# Altium PCB Guitar.pcbdoc
Units mm, origin at the board's own origin, x right, y up, seen from the top; angles counter-clockwise.
Board outline 288.09 x 311.81 mm, 2 copper layers (Top Layer, Bottom Layer); 3 components, 4 nets, 4 pads, 0 vias.
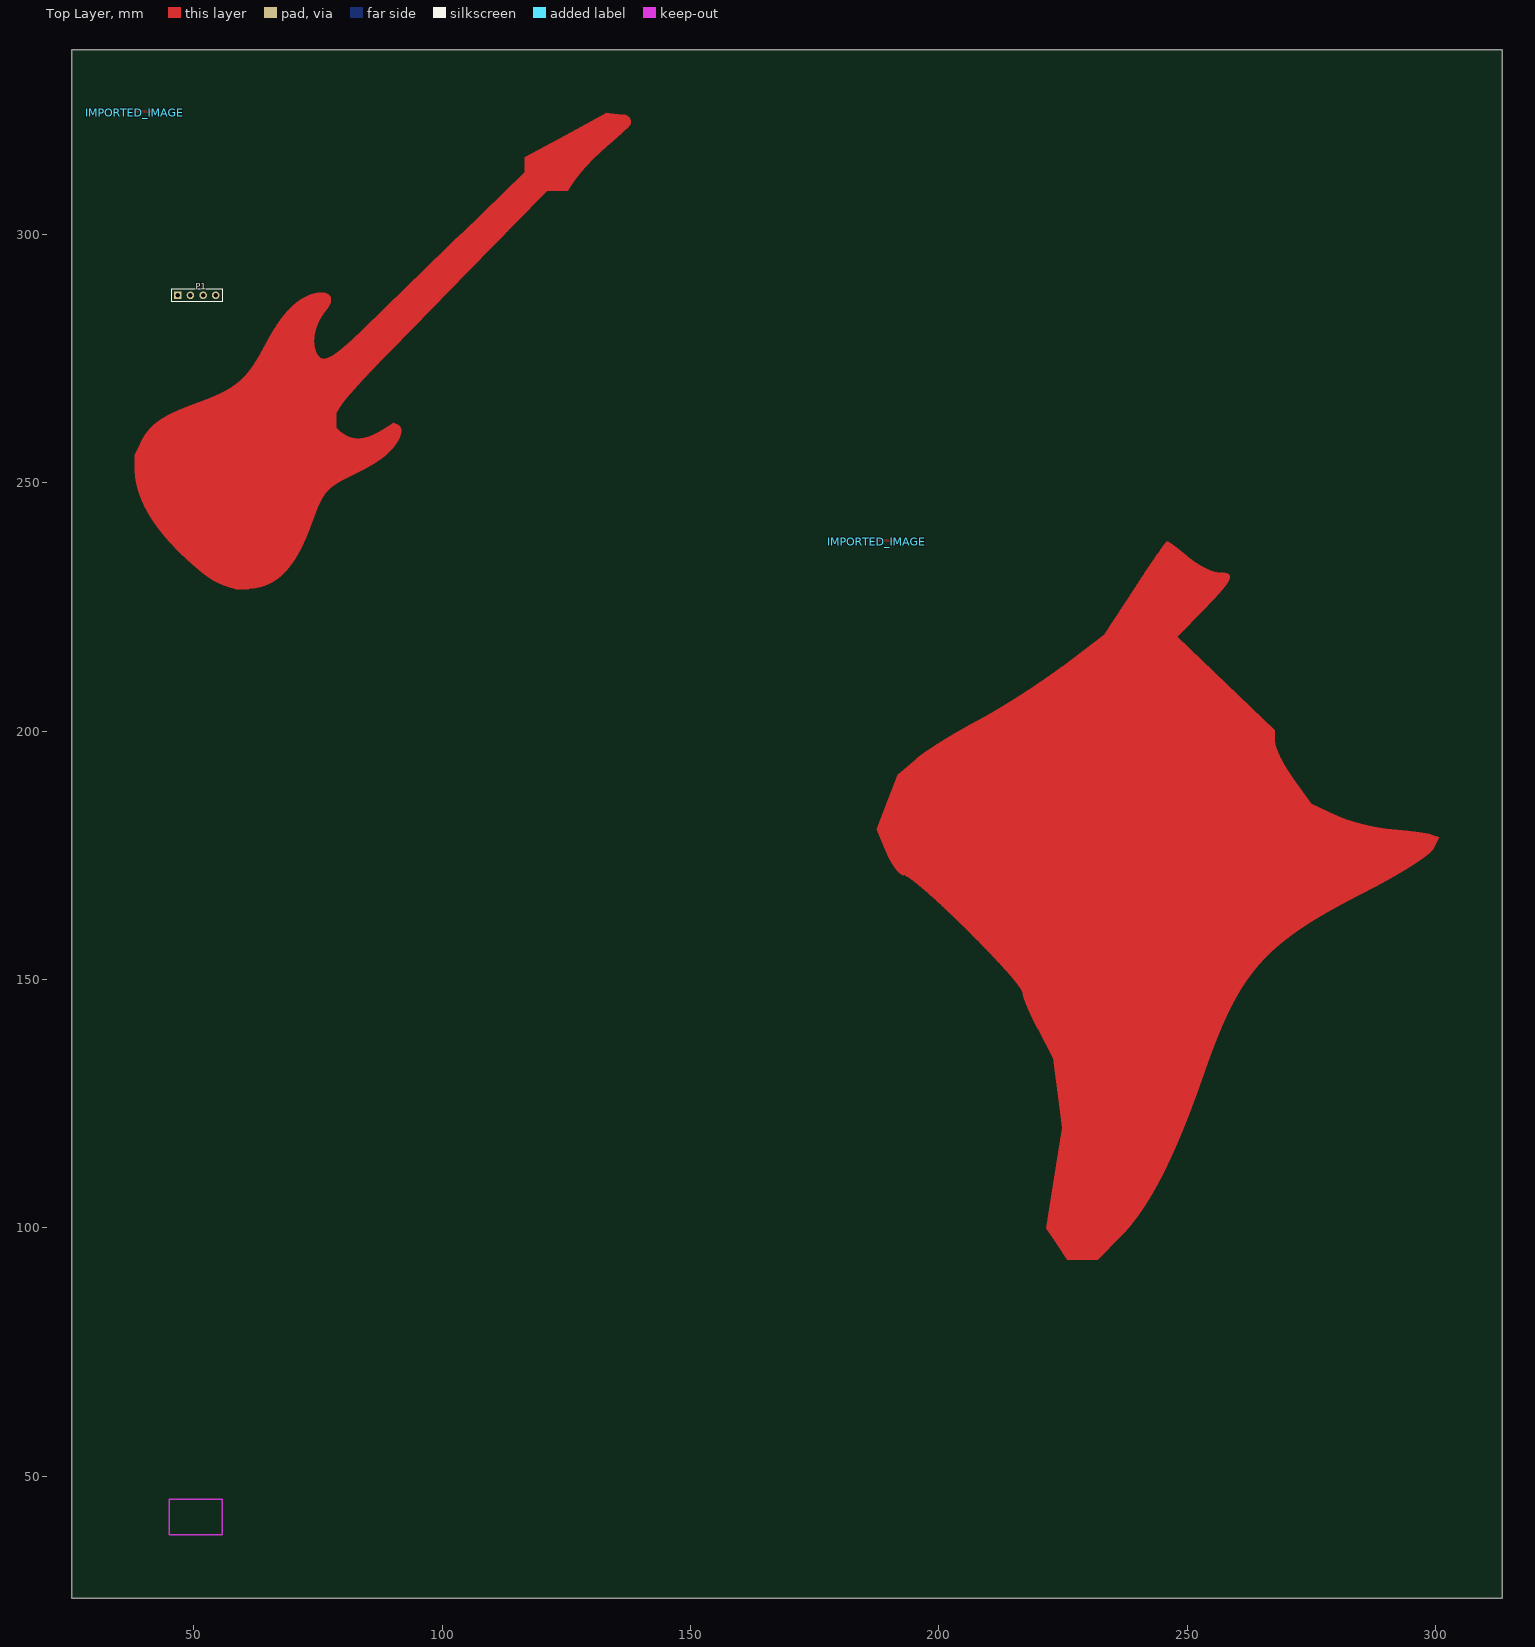
[diagram p0: Top Layer view]
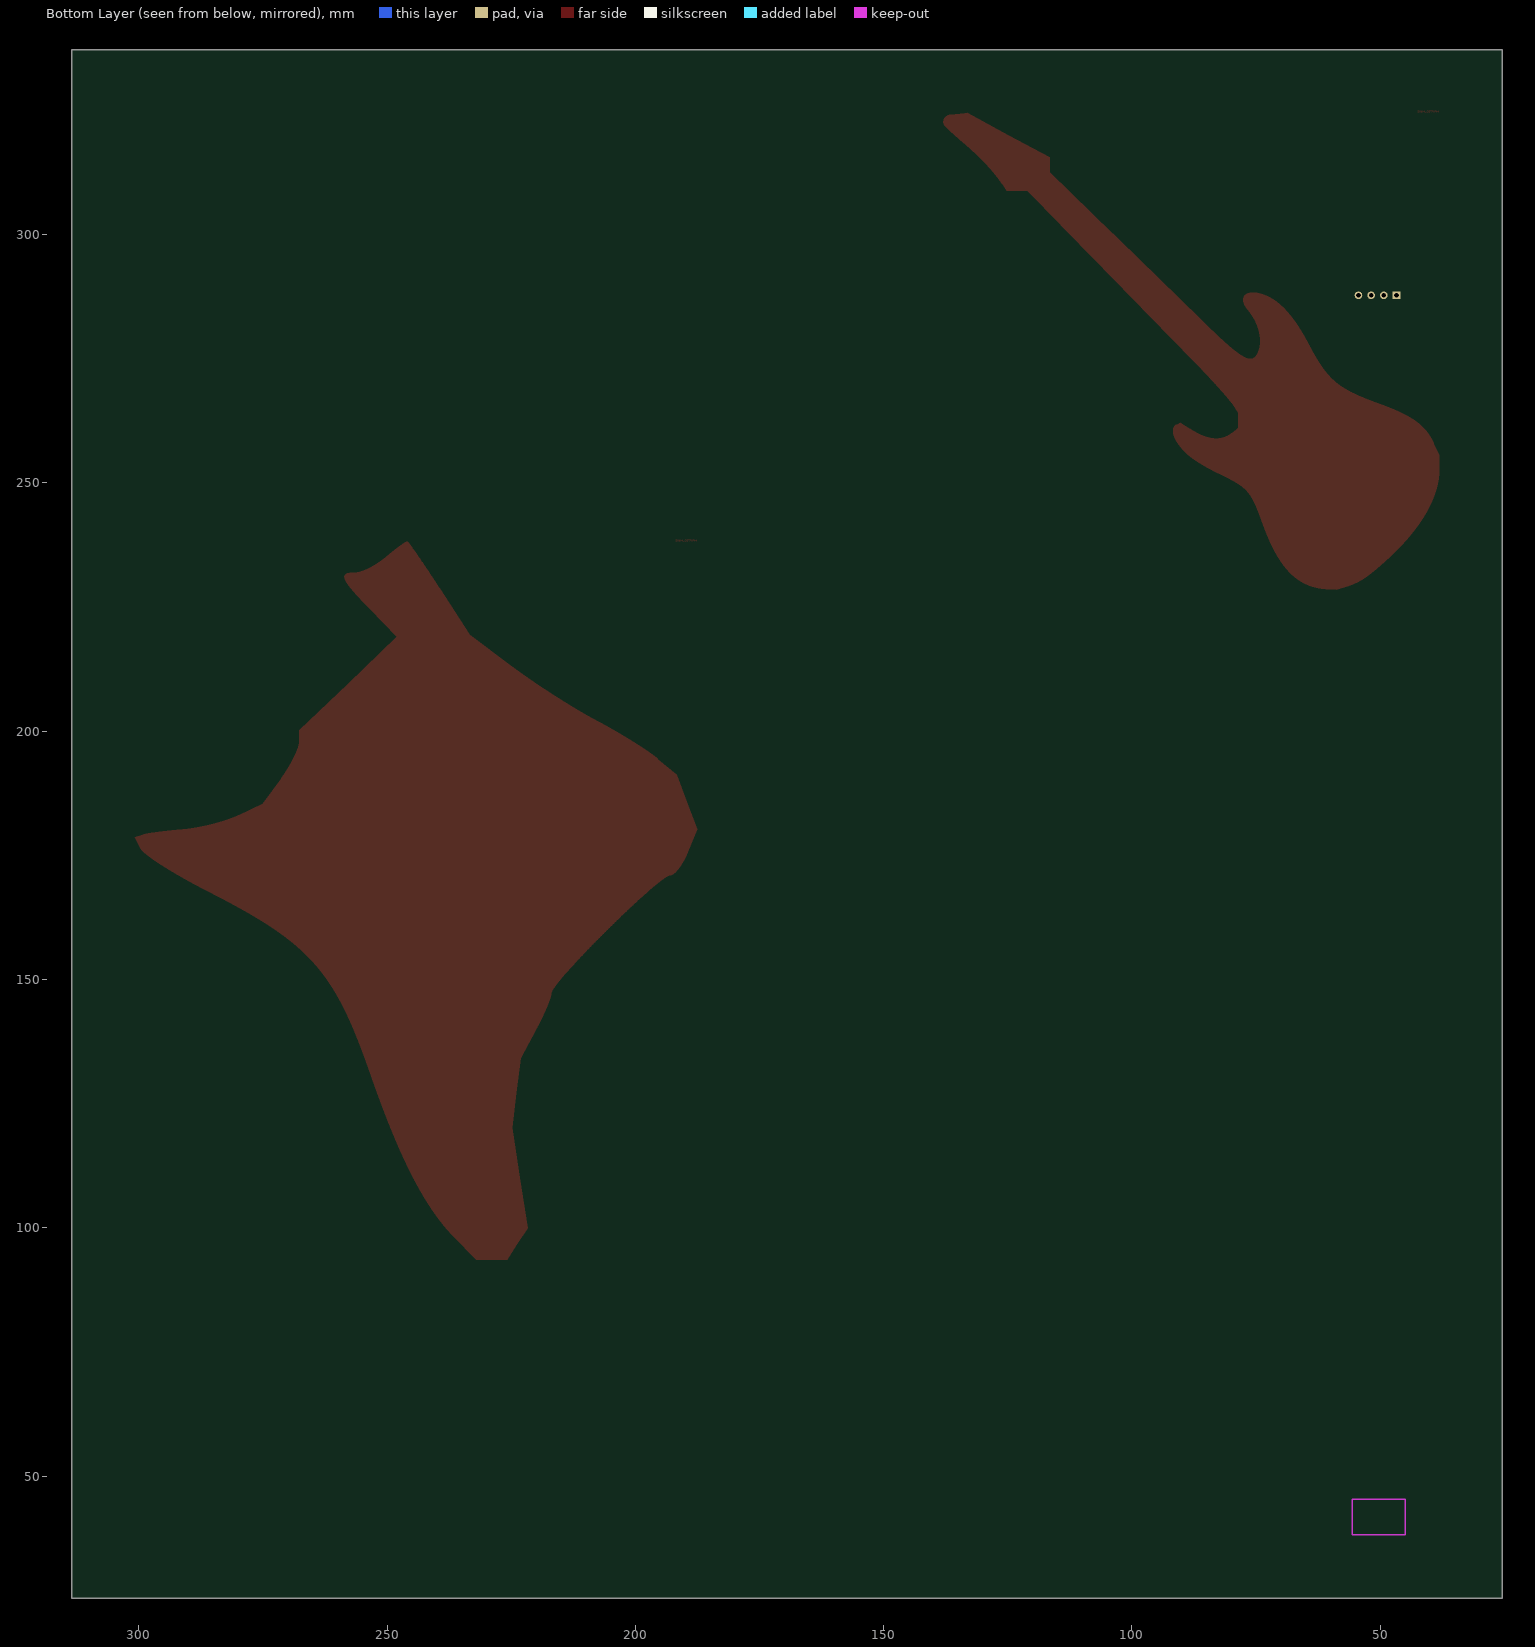
[diagram p1: Bottom Layer view, seen from below]

## Layer stack, top to bottom
Top Layer: signal copper (thickness not stored)
Dielectric: dielectric 0.32, FR-4, Dk 4.8
Bottom Layer: signal copper (thickness not stored)

## Board outline
313.493,25.4 25.4,25.4 25.4,337.209 313.493,337.209

## Components (designator, comment, footprint, x,y, rotation, side; value= is the part's Value field where it differs from the comment)
IMPORTED_IMAGE "IMPORTED_IMAGE" IMPORTED_IMAGE#1 38.1,324.509 r0 top
IMPORTED_IMAGE "IMPORTED_IMAGE" IMPORTED_IMAGE#2 187.514,238.181 r0 top
P1 "Header 4" HDR1X4 49.315,287.772 r0 top

## Footprints (in the part's own frame and the unit in brackets; to place one, negate y for a bottom-side part, rotate by r counter-clockwise, add the part's x,y. Pads: shape width x height; smd on the part's side, far side on the other; paste and mask are expansions set on the pad)
HDR1X4 [mil]
  rect 60x60 hole 36: 1(-101.39,-0.36)
  round 60 hole 36: 2(-0.7,-0.4) 3(100,-0.1) 4(199.9,0)
  silkscreen extent -150,-50 250,50
IMPORTED_IMAGE#1 [mm]
  Top Layer region: 16917 vertices and 1 holes, not listed, extent 0,-96.066 99.868,0
  Top Layer region: 5703 vertices and 0 holes, not listed, extent 16.002,-92.371 48.372,-50.756
IMPORTED_IMAGE#2 [mm]
  Top Layer region: 12121 vertices and 0 holes, not listed, extent 0,-144.625 113.279,0.001

## Nets (pads, with @x,y where several pads share a name; then routed paths per layer and width w, separated by ;. In a path a pad name is that pad's centre, name@x,y a point inside that pad or via, vN(x,y) a via of type N, cw(c..) or ccw(c..) an arc to the next point about the centre after c; other vN are vias at no path point)
P1_1: P1.1
P1_2: P1.2
P1_3: P1.3
P1_4: P1.4

## Silkscreen, mask and mechanical layers (free items; w line width, h text height)
Document:
  lines w0.003: 169.421,181.279 169.472,181.33